# Altium PCB lxdeight.PcbDoc
Units mil, origin at the board's own origin, x right, y up, seen from the top; angles counter-clockwise.
Board outline 2047.24 x 2677.17 mil, 2 copper layers (Top Layer, Bottom Layer); 14 components, 19 nets, 69 pads, 0 vias.
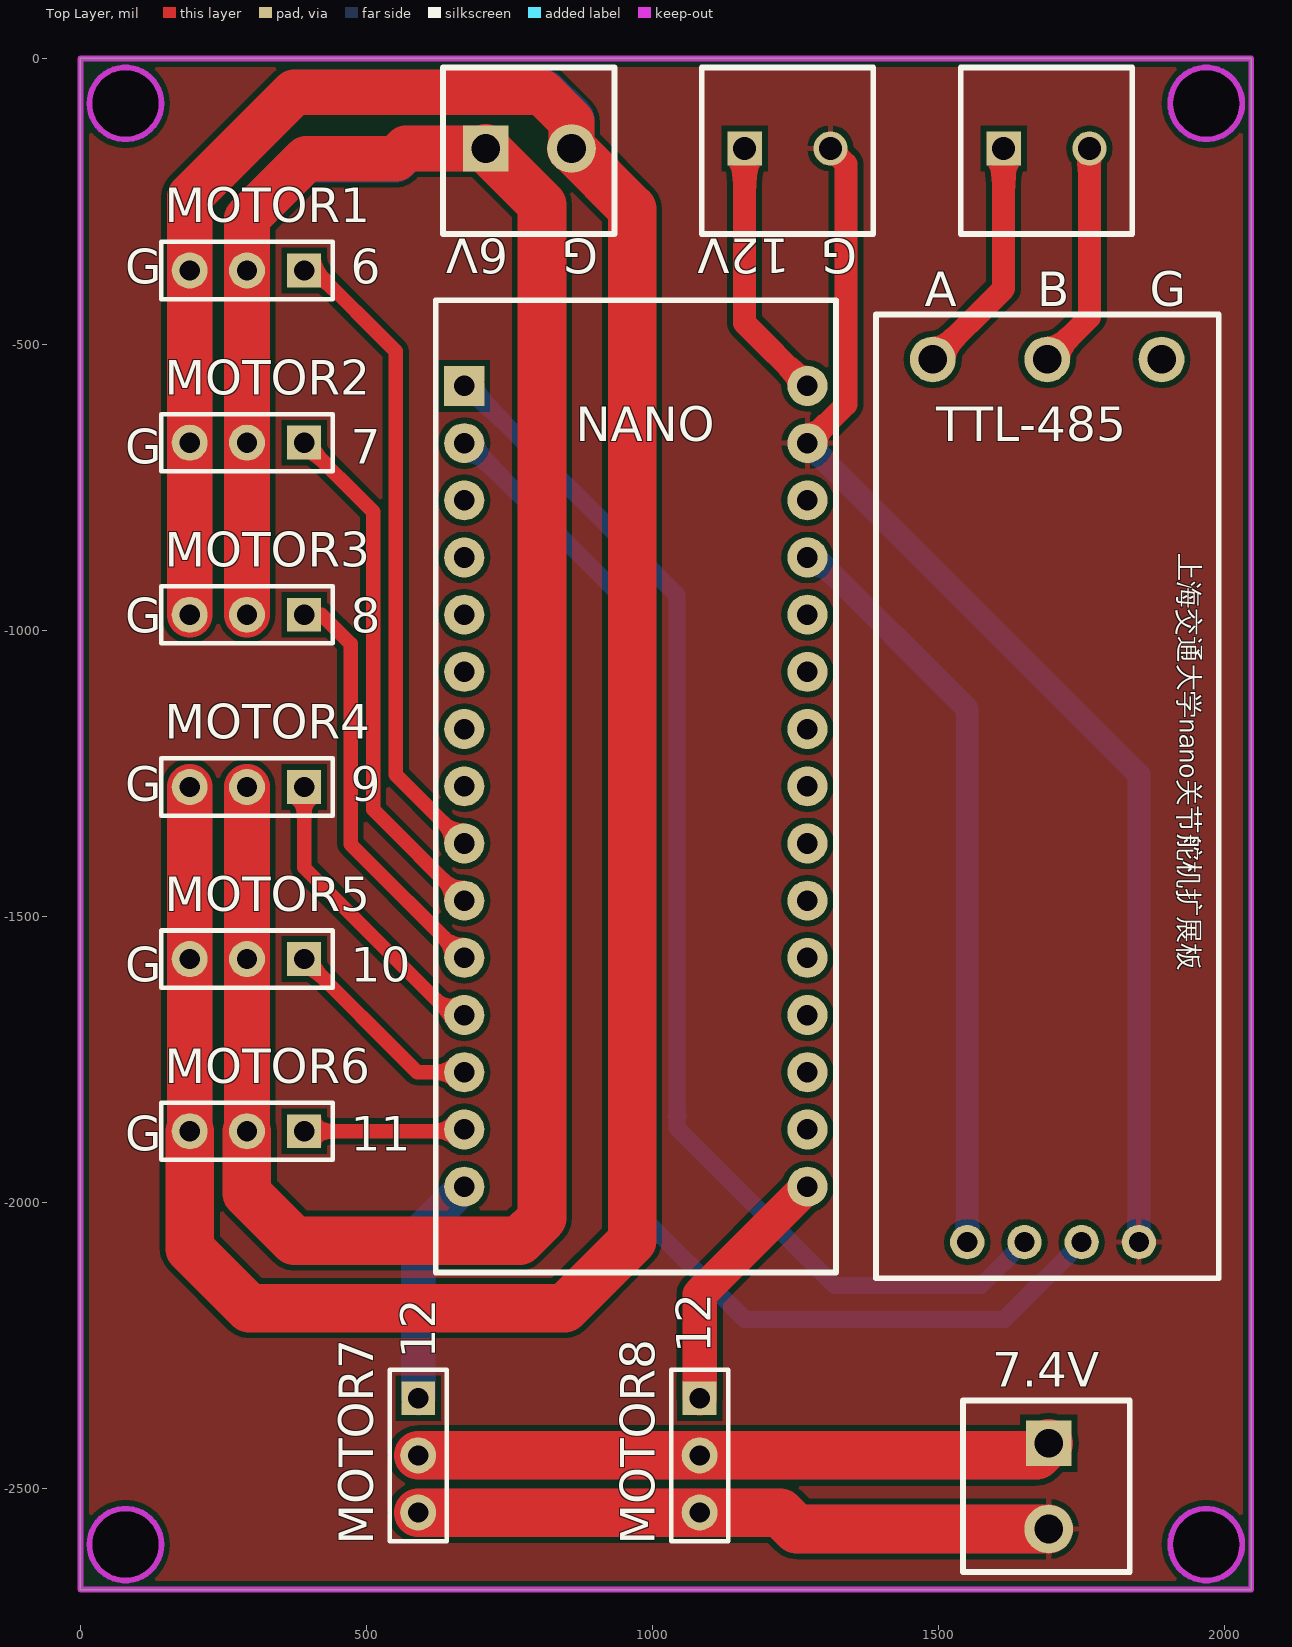
[diagram p0: Top Layer view]
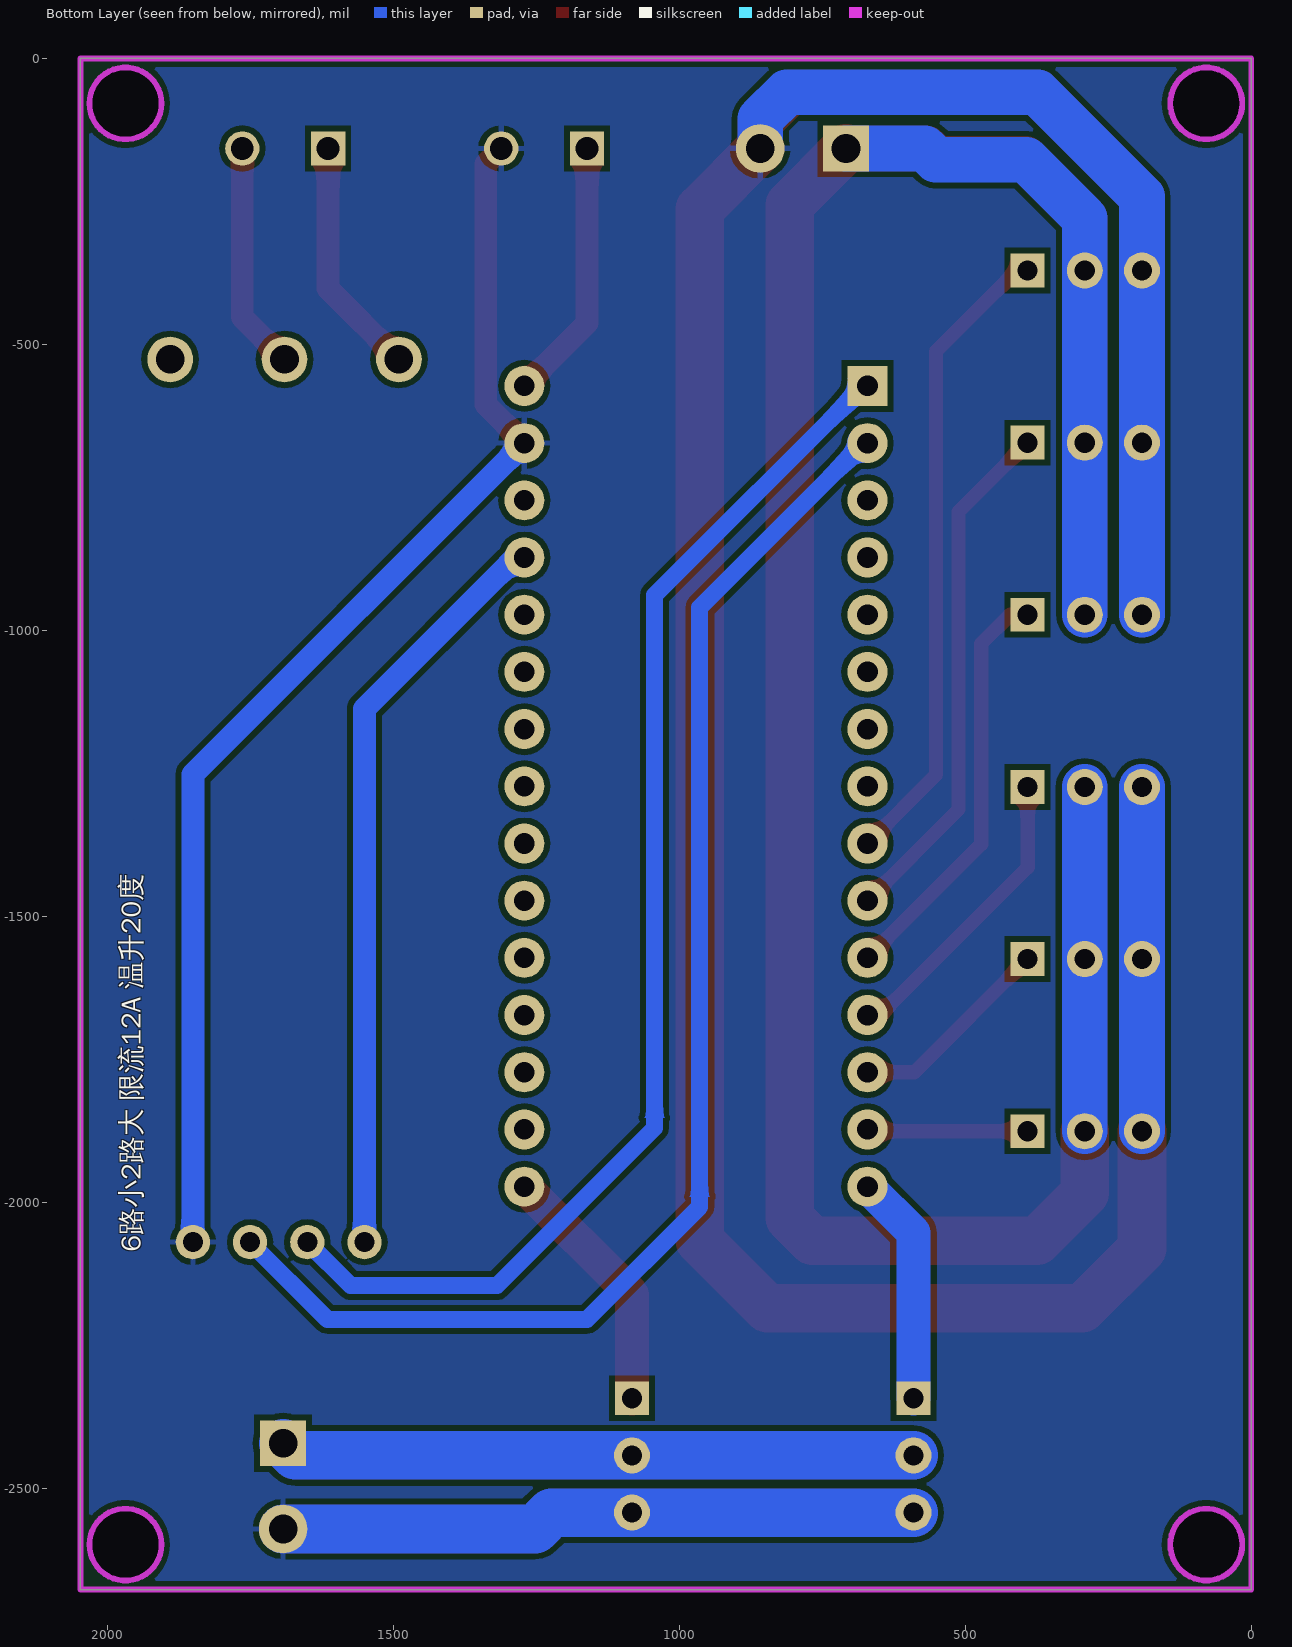
[diagram p1: Bottom Layer view, seen from below]

## Layer stack, top to bottom
Top Solder: solder mask 0.4, Solder Resist, Dk 3.5
Top Layer: signal copper 1.4
Dielectric 1: dielectric 12.6, FR-4, Dk 4.8
Bottom Layer: signal copper 1.4
Bottom Solder: solder mask 0.4, Solder Resist, Dk 3.5

## Board outline
0,-2677.17 0,0 2047.24,0 2047.24,-2677.17
cut-out: 1905.51,-78.74 ccw(c1968.5,-78.74) 1968.5,-141.73 ccw(c1968.5,-78.74) 2031.5,-78.74 ccw(c1968.5,-78.74) 1968.5,-15.75 ccw(c1968.5,-78.74)
cut-out: 78.74,-141.73 cw(c78.74,-78.74) 15.75,-78.74 cw(c78.74,-78.74) 78.74,-15.75 cw(c78.74,-78.74) 141.73,-78.74 cw(c78.74,-78.74)
cut-out: 15.75,-2598.43 ccw(c78.74,-2598.43) 78.74,-2661.42 ccw(c78.74,-2598.43) 141.73,-2598.43 ccw(c78.74,-2598.43) 78.74,-2535.43 ccw(c78.74,-2598.43)
cut-out: 1905.51,-2598.43 ccw(c1968.5,-2598.43) 1968.5,-2661.42 ccw(c1968.5,-2598.43) 2031.5,-2598.43 ccw(c1968.5,-2598.43) 1968.5,-2535.43 ccw(c1968.5,-2598.43)

## Design rules (kind name [scope] priority, off if disabled: settings)
Clearance [All] p1: gap=10
PolygonConnect [All] p1: connectstyle=Relief reliefconductorwidth=10 reliefentries=4 polygonreliefangle="90 Angle" airgapwidth=10
RoutingVias [All] p1: holewidth=28 width=50 viastyle="Through Hole" minholewidth=28 minwidth=50 maxholewidth=28 maxwidth=50
SilkToSilkClearance [All] p1 off: silktosilkclearance=10
SilkToSolderMaskClearance [IsPad] p1 off: minsilkscreentomaskgap=10 clearancetoexposedcopper=TRUE
SolderMaskExpansion [All] p1: expansion=4
Width [All] p1: maxlimit=100 minlimit=10 preferedwidth=10
28 further rules are at their usual default settings.

## Classes and differential pairs
component class Sheet1: MOTOR1 MOTOR2 MOTOR3 MOTOR4 MOTOR5 MOTOR6

## Components (designator, comment, footprint, x,y, rotation, side; value= is the part's Value field where it differs from the comment)
6V "VCC" "HEADER 1X2a"#1 708.66,-157.48 r0 top (schematic designator VCC6V)
7.4V "VCC" "HEADER 1X2a"#1 1692.91,-2421.26 r270 top (schematic designator VCC6V)
12V "VCC" "HEADER 1X2a"#2 1161.42,-157.48 r0 top (schematic designator VCC12V)
MOTOR1 "" HDR1X3 391.14,-370.79 r180 top
MOTOR2 "" HDR1X3 391.14,-671.79 r180 top
MOTOR3 "" HDR1X3 391.14,-972.79 r180 top
MOTOR4 "" HDR1X3 391.14,-1273.79 r180 top
MOTOR5 "" HDR1X3 391.14,-1574.79 r180 top
MOTOR6 "" HDR1X3 391.14,-1875.79 r180 top
MOTOR7 "" HDR1X3 590.55,-2342.52 r270 top (schematic designator MOTOR6)
MOTOR8 "" HDR1X3 1082.68,-2342.52 r270 top (schematic designator MOTOR6)
U1 "Nano" NANO 671.14,-572.64 r0 top
U2 "TTL-485" ttl-485 1391.14,-2132.64 r90 top
VCC12V "VCC" "HEADER 1X2a"#2 1614.17,-157.48 r0 top

## Footprints (in the part's own frame and the unit in brackets; to place one, negate y for a bottom-side part, rotate by r counter-clockwise, add the part's x,y. Pads: shape width x height; smd on the part's side, far side on the other; paste and mask are expansions set on the pad)
HDR1X3 [mm] "Connector; Header; 3 Position"
  rect 1.5x1.5 hole 0.9: 1(0,0)
  round 1.6 hole 0.9: 2(2.54,0) 3(5.08,0)
  silkscreen extent -1.27,-1.27 6.35,1.27
"HEADER 1X2a"#1 [mil]
  rect 80x80 hole 50: 1(0,0)
  round 85 hole 50: 2(150,0)
  silkscreen extent -75,-150 225,142
"HEADER 1X2a"#2 [mil]
  rect 60x60 hole 40: 1(0,0)
  round 60 hole 40: 2(150,0)
  silkscreen extent -75,-150 225,142
NANO [mil]
  rect 70x70 hole 36: 1(0,0)
  round 70 hole 36: 2(0,-100) 3(0,-200) 4(0,-300) 5(0,-400) 6(0,-500) 7(0,-600) 8(0,-700) 9(0,-800) 10(0,-900) 11(0,-1000) 12(0,-1100) 13(0,-1200) 14(0,-1300) 15(0,-1400) 16(600,-1400) 17(600,-1300) 18(600,-1200) 19(600,-1100) 20(600,-1000) 21(600,-900) 22(600,-800) 23(600,-700) 24(600,-600) 25(600,-500) 26(600,-400) 27(600,-300) 28(600,-200) 29(600,-100)
  round 70 hole 36 mask+4: 30(600,0)
  silkscreen extent -50,-1550 650,150
ttl-485 [mil]
  round 80 hole 50: 1(1606.3,-99.21) 2(1606.3,-299.21) 3(1606.3,-499.21)
  round 60 hole 35: 4(62.99,-159.45) 5(62.99,-259.45) 6(62.99,-359.45) 7(62.99,-459.45)
  silkscreen extent 0,-599 1685,0

## Part data
6V 7.4V 12V VCC12V: library part "Header 2", "Header, 2-Pin"
MOTOR1 MOTOR2 MOTOR3 MOTOR4 MOTOR5 MOTOR6 MOTOR7 MOTOR8: library part "Header 3", "Header, 3-Pin"

## Nets (pads, with @x,y where several pads share a name; then routed paths per layer and width w, separated by ;. In a path a pad name is that pad's centre, name@x,y a point inside that pad or via, vN(x,y) a via of type N, cw(c..) or ccw(c..) an arc to the next point about the centre after c; other vN are vias at no path point)
5V: U1.27 U2.4 | length 1321.5
  Bottom Layer w30: U1.27 U1.27@1286.02,-872.64
  Bottom Layer w40: U1.27@1286.02,-872.64 1550.59,-1137.2 U2.4
BM1: MOTOR7.1 U1.15 | length 403.3
  Bottom Layer w60: MOTOR7.1 590.55,-2053.23 U1.15
BM2: MOTOR8.1 U1.16 | length 447.9
  Top Layer w60: MOTOR8.1 1082.68,-2161.1 U1.16
GND: 6V.2 7.4V.2 12V.2 MOTOR1.3 MOTOR2.3 MOTOR3.3 MOTOR4.3 MOTOR5.3 MOTOR6.3 MOTOR7.3 MOTOR8.3 U1.29 U2.7 | length 11735.3
  Top Layer w40: U1.29 1338.58,-605.2 1338.58,-184.64 12V.2
  Top Layer w80: MOTOR6.3 MOTOR5.3 MOTOR4.3 ; MOTOR3.3 MOTOR2.3 MOTOR1.3 191.14,-241.93 374.02,-59.06 807.09,-59.06 858.66,-110.63 6V.2
  Top Layer w85: MOTOR6.3 191.14,-2080.91 295.28,-2185.04 846.46,-2185.04 964.57,-2066.93 964.57,-263.38 6V.2 ; MOTOR7.3 MOTOR8.3 1223.62,-2542.52 1252.36,-2571.26 7.4V.2
  Bottom Layer w40: U1.29 1850.59,-1252.09 U2.7
  Bottom Layer w80: MOTOR6.3 MOTOR5.3 MOTOR4.3 ; MOTOR3.3 MOTOR2.3 MOTOR1.3 191.14,-241.93 374.02,-59.06 811.81,-59.06 858.66,-105.9 6V.2
  Bottom Layer w85: MOTOR7.3 MOTOR8.3 1223.62,-2542.52 1252.36,-2571.26 7.4V.2
M6: MOTOR1.1 U1.9 | length 1129
  Top Layer w10: MOTOR1.1 MOTOR1.1@410.16,-370.79
  Top Layer w25: MOTOR1.1@410.16,-370.79 551.18,-511.81 551.18,-1252.68 U1.9
M7: MOTOR2.1 U1.10 | length 916.8
  Top Layer w25: MOTOR2.1 511.81,-792.46 511.81,-1313.31 U1.10
M8: MOTOR3.1 U1.11 | length 733.7
  Top Layer w10: MOTOR3.1 421.61,-972.79
  Top Layer w25: 421.61,-972.79 472.44,-1023.62 472.44,-1373.94 U1.11
M9: MOTOR4.1 U1.12 | length 527.8
  Top Layer w10: U1.12@649.02,-1672.64 U1.12
  Top Layer w25: MOTOR4.1 391.14,-1414.76 U1.12@649.02,-1672.64
M10: MOTOR5.1 U1.13 | length 362
  Top Layer w25: MOTOR5.1 588.99,-1772.64 U1.13
M11: MOTOR6.1 U1.14 | length 281.3
  Top Layer w10: U1.14@667.99,-1875.79 U1.14
  Top Layer w25: MOTOR6.1 U1.14@667.99,-1875.79
NetJUMP1_1: 
NetJUMP2_2: 12V.1 U1.30 | length 460.6
  Top Layer w40: 12V.1 1161.42,-462.91 U1.30
NetP1_1: U2.1 VCC12V.1 | length 420.1
  Top Layer w40: U2.1 1614.17,-402.52 VCC12V.1
NetP1_2: U2.2 VCC12V.2 | length 399.4
  Top Layer w40: U2.2 1764.17,-452.52 VCC12V.2
NetP1_3: U2.3
RX: U1.2 U2.6 | length 2383.8
  Bottom Layer w30: U1.2@677.21,-672.64 964.57,-960 964.57,-2007.87 1161.42,-2204.72 1615.51,-2204.72 U2.6
  Bottom Layer w60: U1.2 U1.2@677.21,-672.64
TX: U1.1 U2.5 | length 2208.1
  Bottom Layer w30: U1.1@677.21,-572.64 1043.31,-938.74 1043.31,-1870.08 1318.9,-2145.67 1574.57,-2145.67 U2.5
  Bottom Layer w60: U1.1 U1.1@677.21,-572.64
VIN: 6V.1 MOTOR1.2 MOTOR2.2 MOTOR3.2 MOTOR4.2 MOTOR5.2 MOTOR6.2 | length 6112.1
  Top Layer w80: MOTOR6.2 MOTOR5.2 MOTOR4.2 ; MOTOR3.2 MOTOR2.2 MOTOR1.2 291.14,-279.72 395.28,-175.59 551.18,-175.59 569.29,-157.48 6V.1
  Top Layer w85: MOTOR6.2 291.14,-1984.06 374.02,-2066.93 767.72,-2066.93 807.09,-2027.56 807.09,-255.9 6V.1
  Bottom Layer w80: MOTOR6.2 MOTOR5.2 MOTOR4.2 ; MOTOR3.2 MOTOR2.2 MOTOR1.2 291.14,-279.72 393.7,-177.17 551.18,-177.17 570.87,-157.48 6V.1
VIN7: 7.4V.1 MOTOR7.2 MOTOR8.2 | length 2222.3
  Top Layer w85: MOTOR7.2 MOTOR8.2 1671.66,-2442.52 7.4V.1
  Bottom Layer w85: MOTOR7.2 MOTOR8.2 1671.66,-2442.52 7.4V.1
pads on no net: U1.3 U1.4 U1.5 U1.6 U1.7 U1.8 U1.17 U1.18 U1.19 U1.20 U1.21 U1.22 U1.23 U1.24 U1.25 U1.26 U1.28

## Polygon pours and split planes (outlines as drawn)
GND on Top Layer "Top Layer-POWER" (solid, pour order 8): 0,0 2047.24,0 2047.24,-2677.17 0,-2677.17
GND on Bottom Layer "Top Layer-POWER" (solid, pour order 10): 0,0 2047.24,0 2047.24,-2677.17 0,-2677.17

## Keep-outs
Keep-Out Layer:
  circle w10: c1968.5,-78.74 r62.99
  circle w10: c78.74,-78.74 r62.99
  circle w10: c1968.5,-2598.43 r62.99
  circle w10: c78.74,-2598.43 r62.99
  lines w10: 0,-2677.17 0,0 2047.24,0 2047.24,-2677.17 0,-2677.17

## Silkscreen, mask and mechanical layers (free items; w line width, h text height)
Top Overlay:
  text "G" at 905.51,-314.96 h60 r180
  text "G" at 1358.27,-314.96 h60 r180
  text "G" at 78.74,-393.7 h60
  text "6" at 472.44,-393.7 h60
  text "A" at 1476.38,-433.07 h60
  text "B" at 1673.23,-433.07 h60
  text "G" at 1870.08,-433.07 h60
  text "NANO" at 866.14,-669.29 h60
  text "TTL-485" at 1496.06,-669.29 h60
  text "G" at 78.74,-708.66 h60
  text "7" at 472.44,-708.66 h60
  text "上海交通大学nano关节舵机扩展板" at 1909.45,-866.14 h60 r270
  text "G" at 78.74,-1003.94 h60
  text "8" at 472.44,-1003.94 h60
  text "G" at 78.74,-1299.21 h60
  text "9" at 472.44,-1299.21 h60
  text "G" at 78.74,-1614.17 h60
  text "10" at 472.44,-1614.17 h60
  text "G" at 78.74,-1909.45 h60
  text "11" at 472.44,-1909.45 h60
  text "12" at 1102.36,-2263.78 h60 r90
  text "12" at 620.24,-2273.78 h60 r90
Bottom Overlay:
  text "6路小2路大 限流12A 温升20度" at 1929.13,-2086.61 h60 r270
Bottom Solder:
  lines w70: 590.55,-2542.52 1082.68,-2542.52 1223.62,-2542.52 1252.36,-2571.26 1692.91,-2571.26 ; 590.55,-2444.09 1082.68,-2444.09 1671.66,-2444.09 ; 1671.66,-2444.09 1692.91,-2422.84 1671.66,-2444.09